# Altium PCB BTF16_2 (2).PcbDoc (part 1 of 4)
Units mm, origin at the board's own origin, x right, y up, seen from the top; angles counter-clockwise.
Board outline 150 x 212.5 mm, 4 copper layers (L1, L2, L3, L4), stack 1.606 mm thick; 313 components, 136 nets, 1767 pads, 1746 vias.
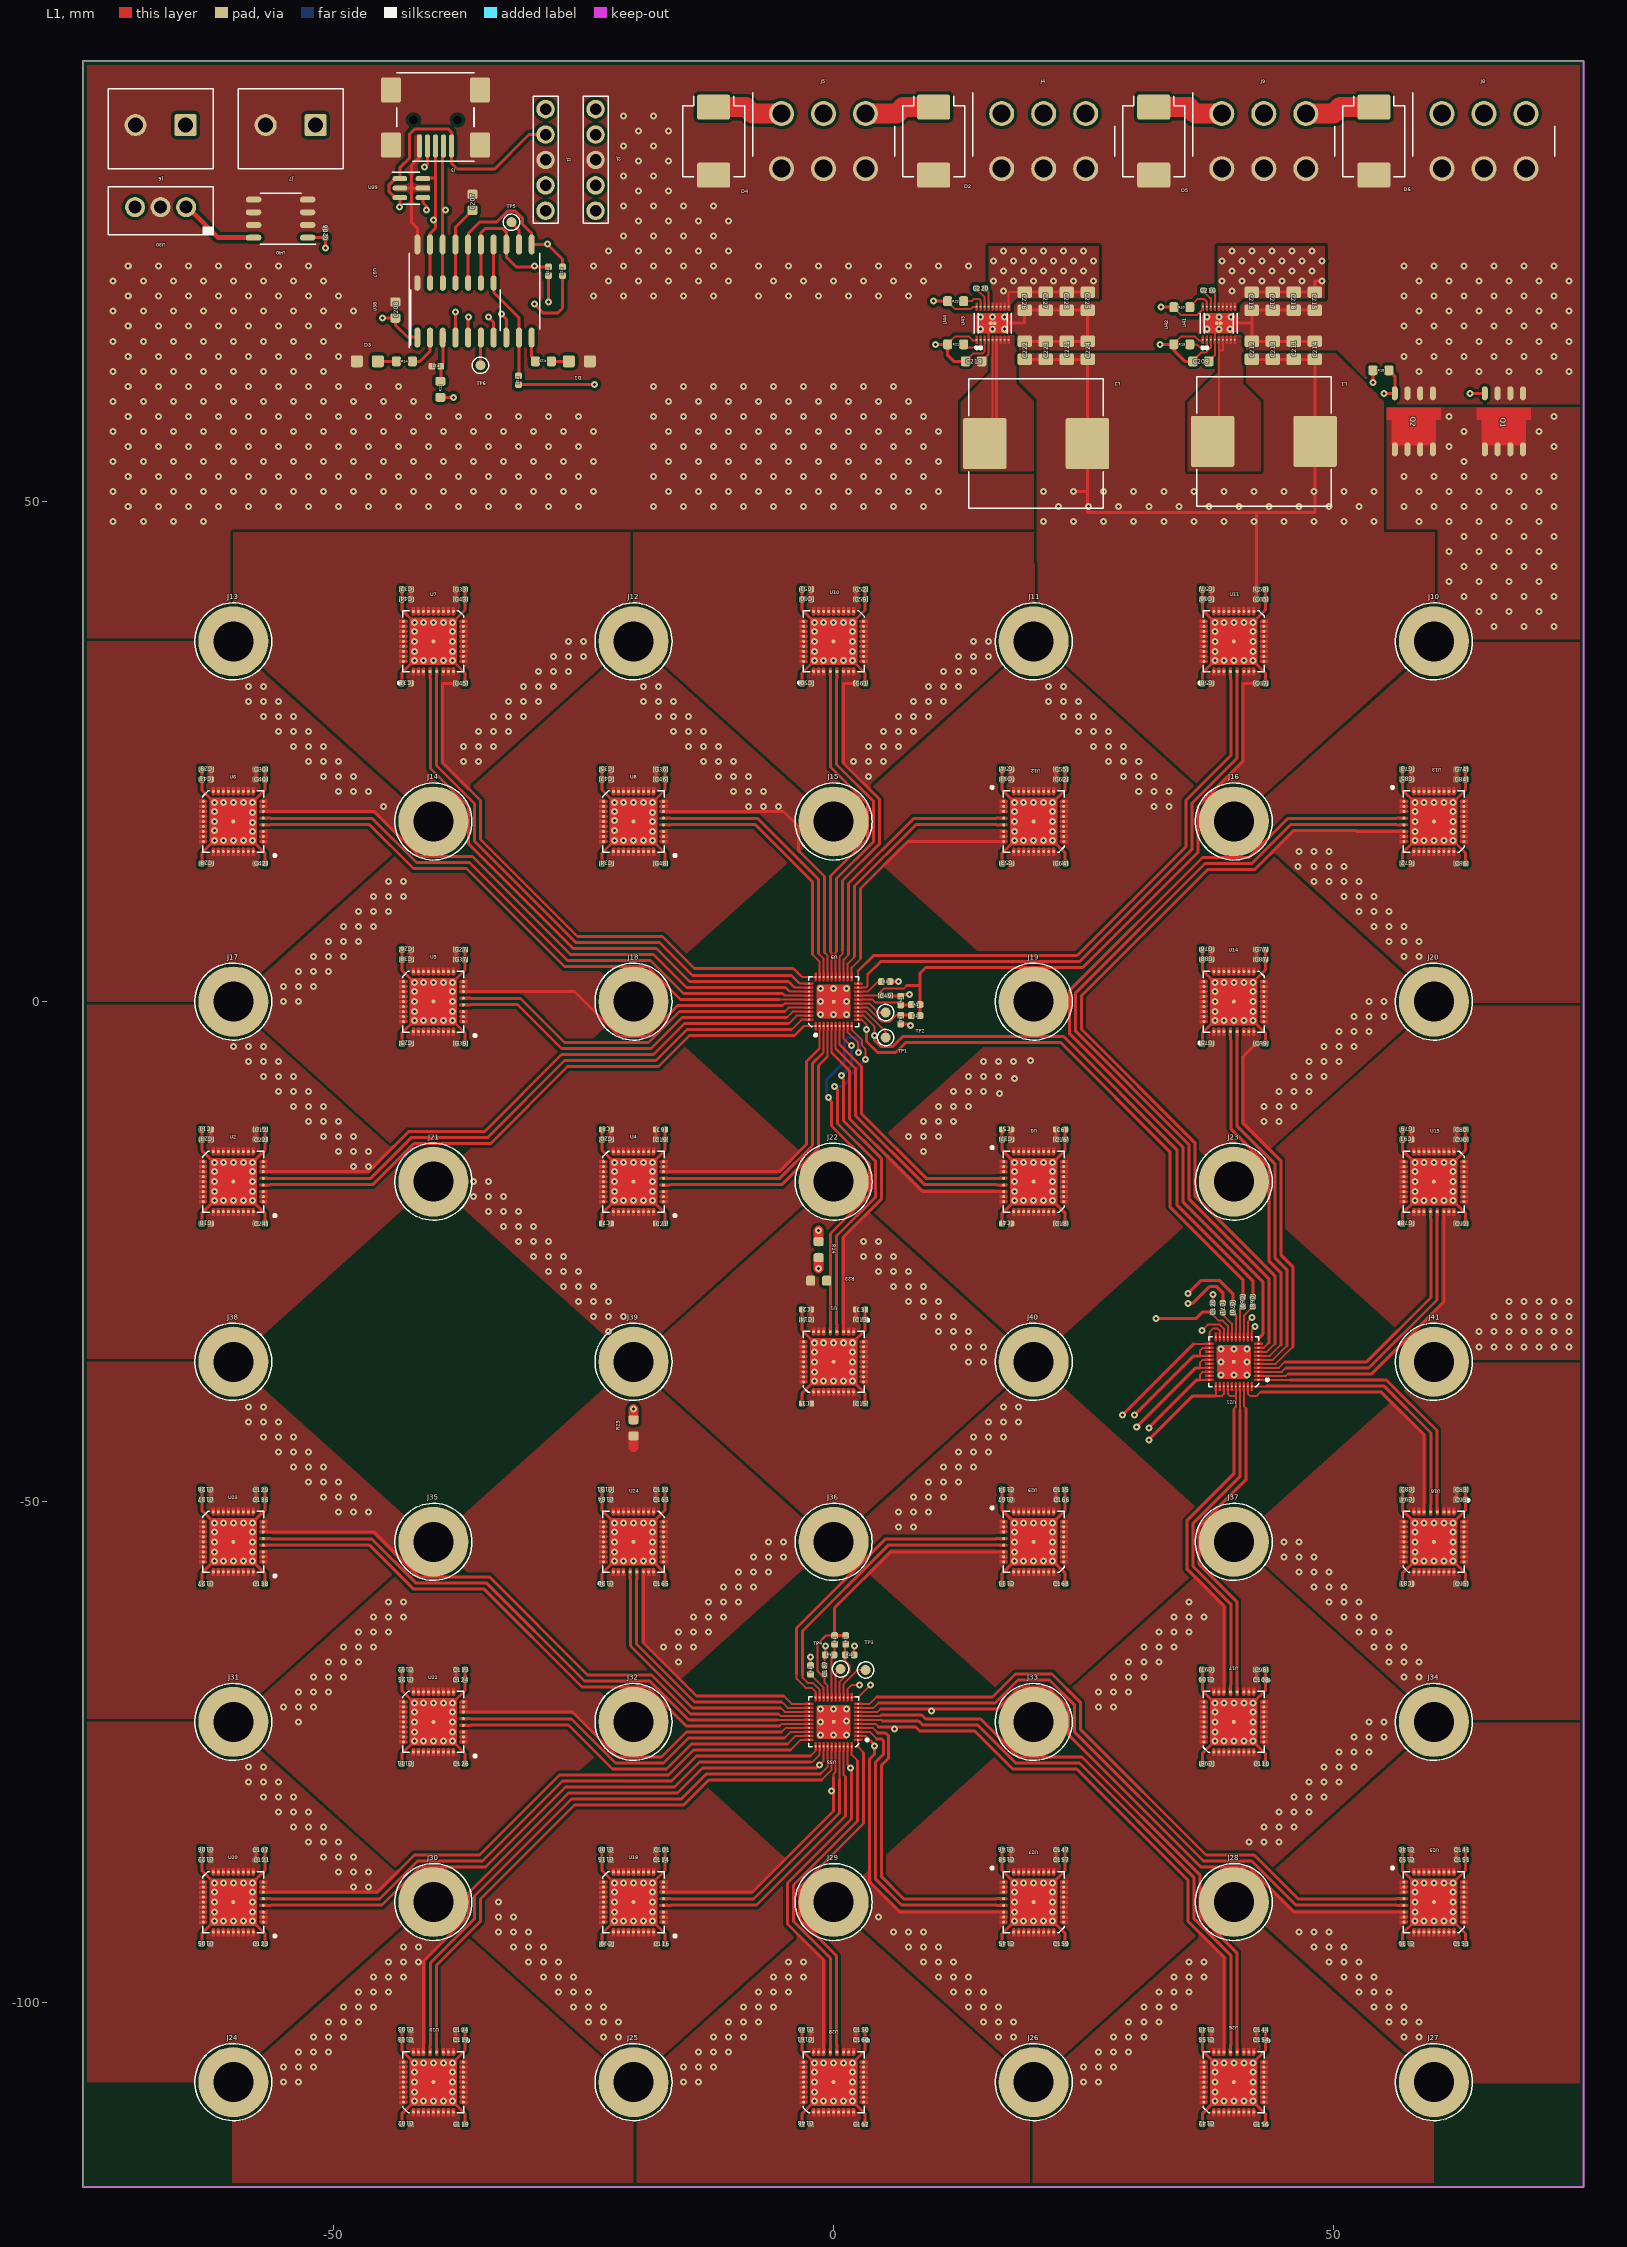
[diagram p0: L1 view]
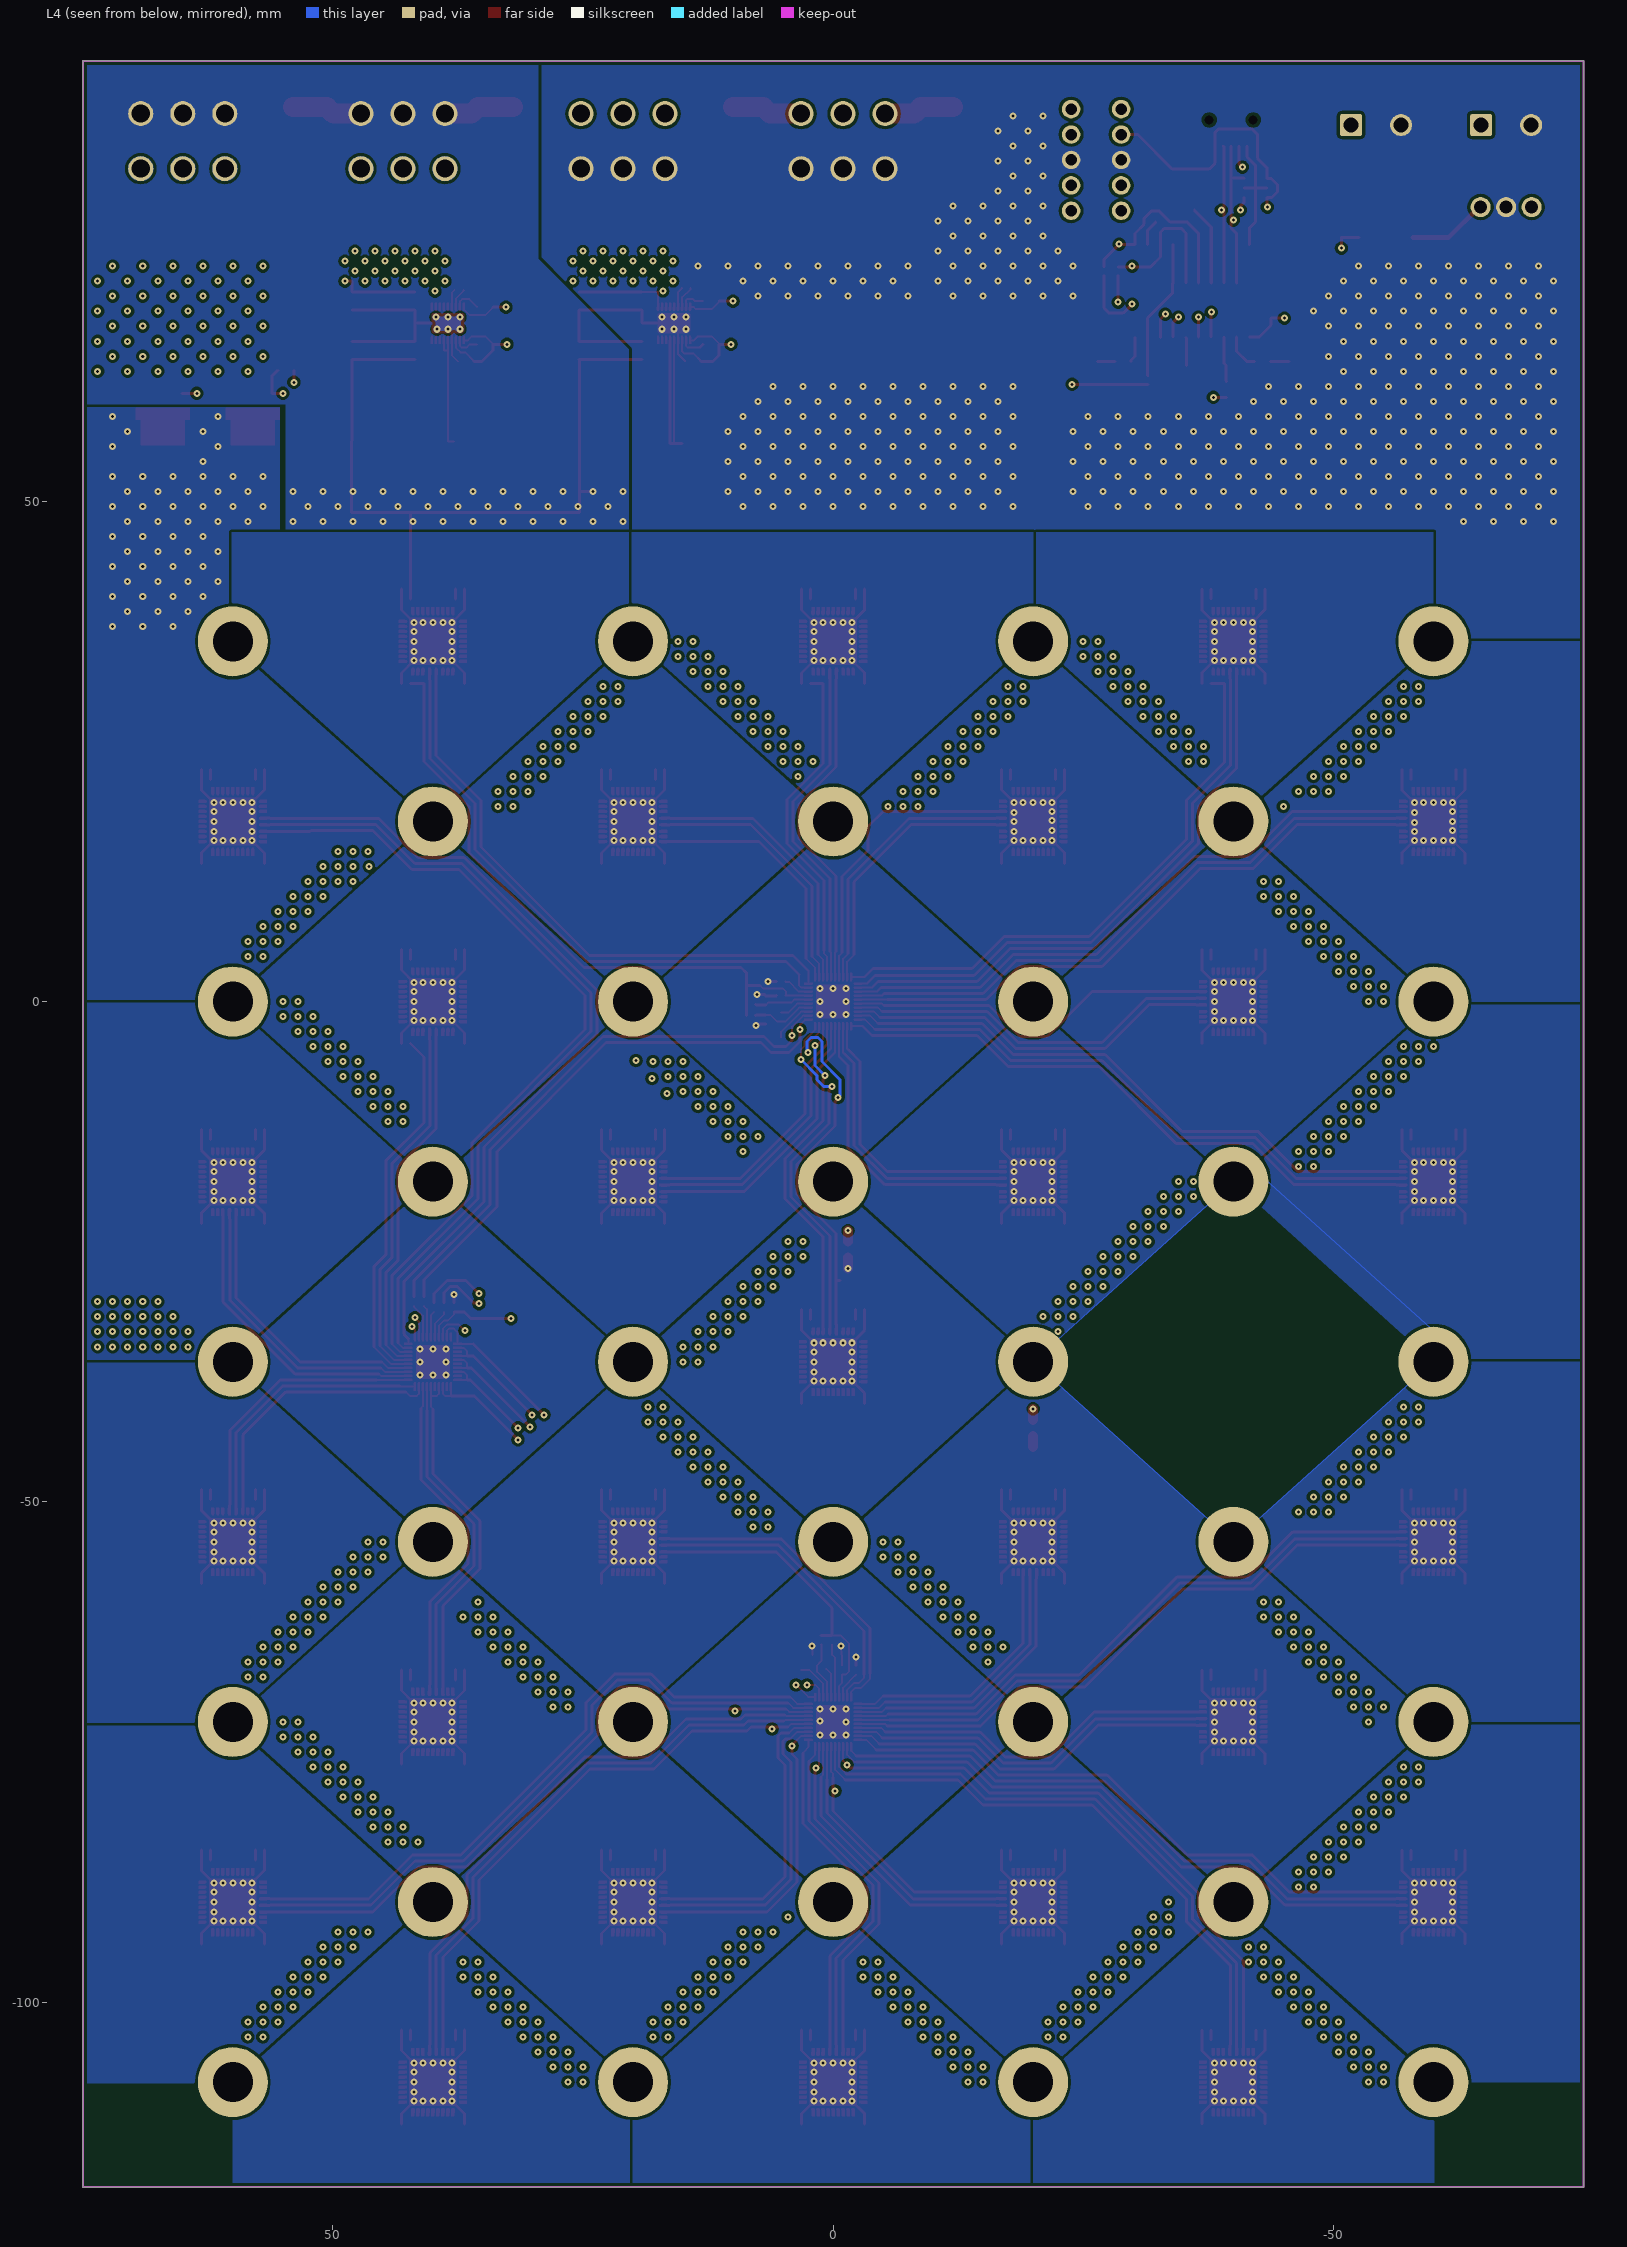
[diagram p1: L4 view, seen from below]
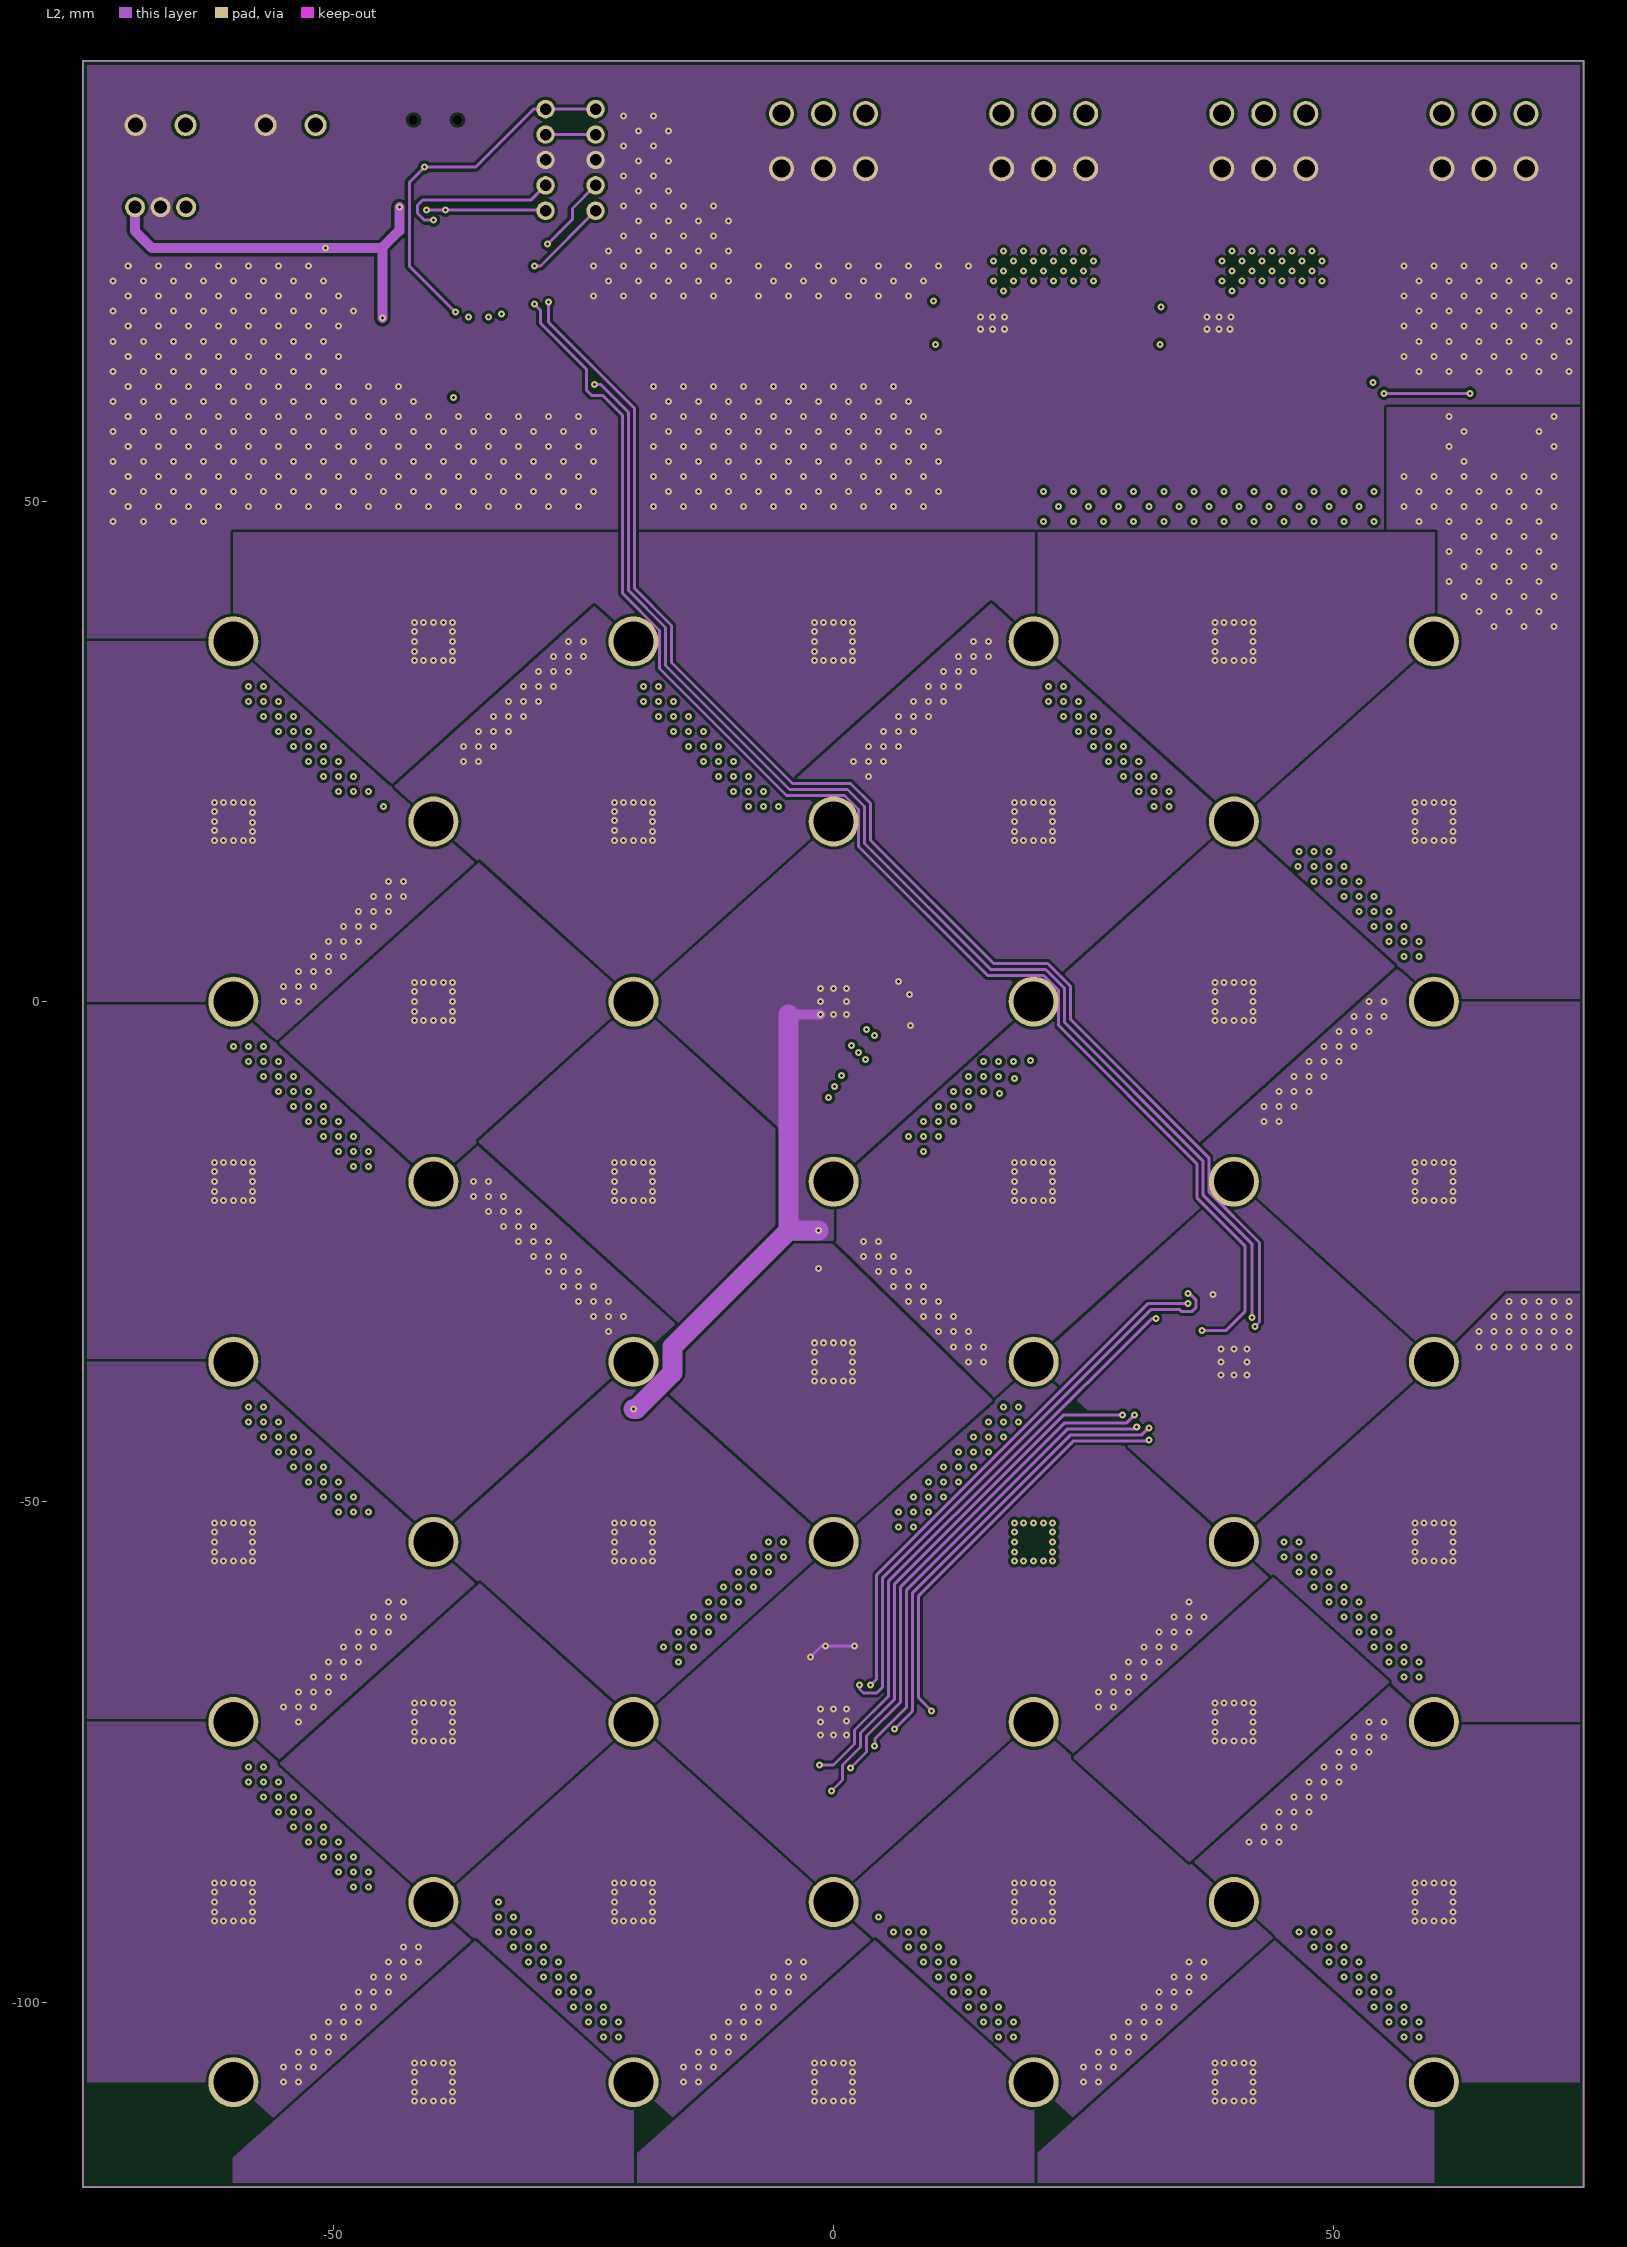
[diagram p2: L2]